# KiCad board APDS9960 Adapter board_panel.kicad_pcb (continued)
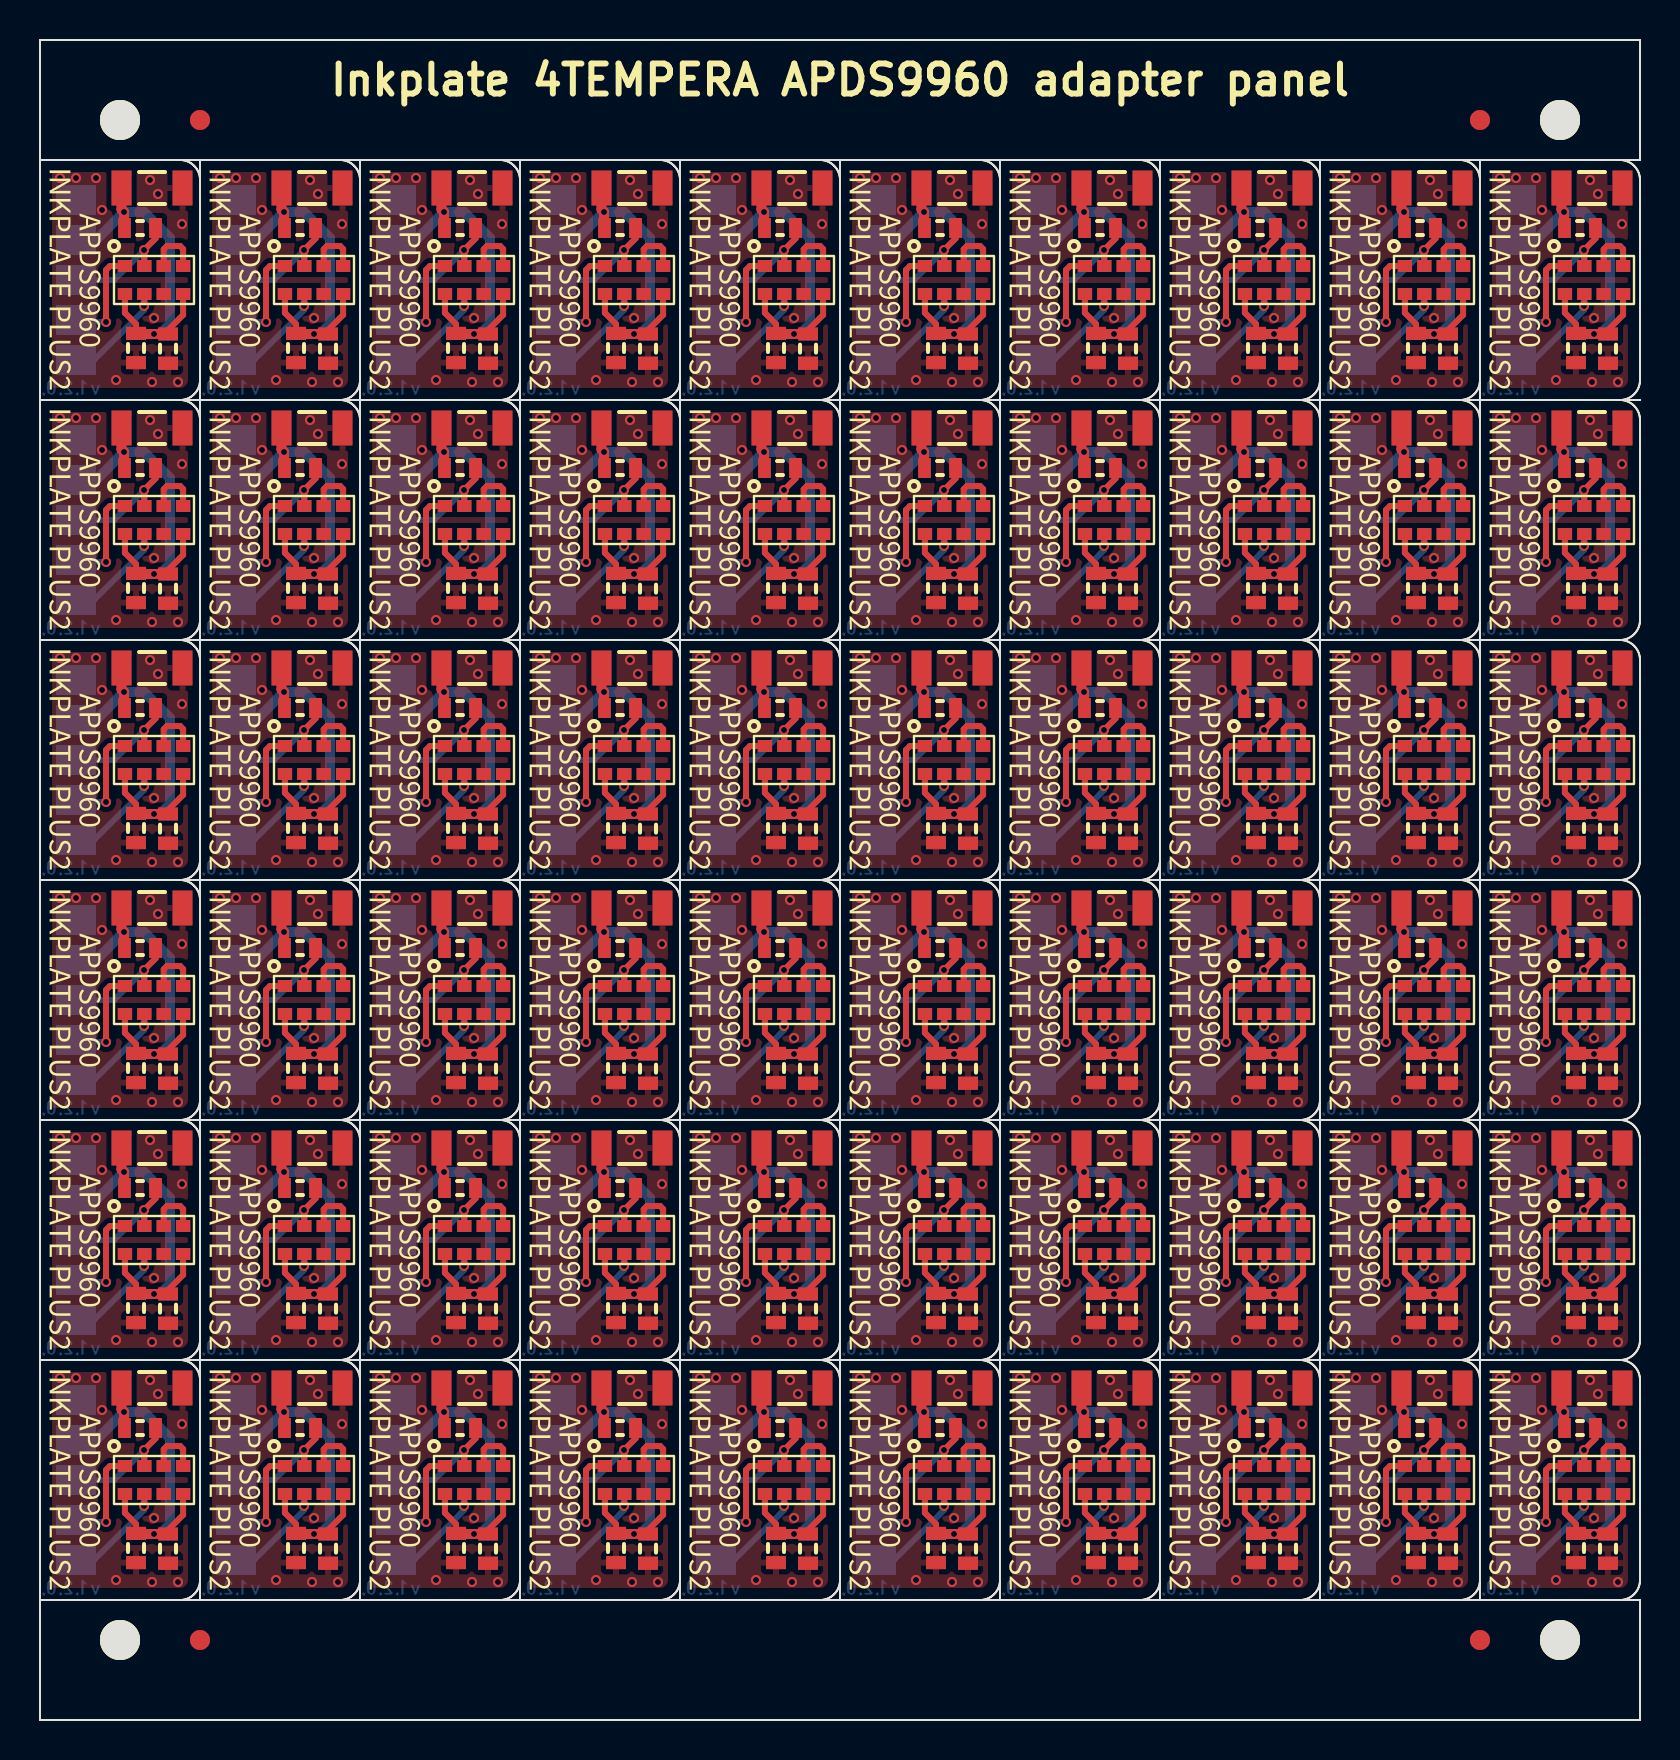
[diagram p0: board, top side]
## Nets (continued)
Board_35-Net-(U1-Pad3): U1#3.3 U1#3.4
Board_36-3V3: C1#54.2 C2#18.2 C3#42.2 PAD4#12.1 R1#42.2 U1#24.5 U1#24.8
Board_36-GND: C1#54.1 C2#18.1 C3#42.1 PAD5#53.1 U1#24.6
Board_36-I2C_SCL: PAD2#24.1 U1#24.7
Board_36-I2C_SDA: PAD1#10.1 U1#24.1
Board_36-INT_APDS: PAD3#12.1 R1#42.1 U1#24.2
Board_36-Net-(U1-Pad3): U1#24.3 U1#24.4
Board_37-3V3: C1#29.2 C2#10.2 C3#30.2 PAD4#45.1 R1#9.2 U1.5 U1.8
Board_37-GND: C1#29.1 C2#10.1 C3#30.1 PAD5#19.1 U1.6
Board_37-I2C_SCL: PAD2#51.1 U1.7
Board_37-I2C_SDA: PAD1#12.1 U1.1
Board_37-INT_APDS: PAD3#54.1 R1#9.1 U1.2
Board_37-Net-(U1-Pad3): U1.3 U1.4
Board_38-3V3: C1#41.2 C2#52.2 C3#29.2 PAD4#15.1 R1#32.2 U1#55.5 U1#55.8
Board_38-GND: C1#41.1 C2#52.1 C3#29.1 PAD5#30.1 U1#55.6
Board_38-I2C_SCL: PAD2#40.1 U1#55.7
Board_38-I2C_SDA: PAD1#3.1 U1#55.1
Board_38-INT_APDS: PAD3#16.1 R1#32.1 U1#55.2
Board_38-Net-(U1-Pad3): U1#55.3 U1#55.4
Board_39-3V3: C1#4.2 C2#23.2 C3#39.2 PAD4#11.1 R1#29.2 U1#46.5 U1#46.8
Board_39-GND: C1#4.1 C2#23.1 C3#39.1 PAD5#57.1 U1#46.6
Board_39-I2C_SCL: PAD2#29.1 U1#46.7
Board_39-I2C_SDA: PAD1#34.1 U1#46.1
Board_39-INT_APDS: PAD3#40.1 R1#29.1 U1#46.2
Board_39-Net-(U1-Pad3): U1#46.3 U1#46.4
Board_40-3V3: C1#50.2 C2#25.2 C3#45.2 PAD4#18.1 R1#56.2 U1#42.5 U1#42.8
Board_40-GND: C1#50.1 C2#25.1 C3#45.1 PAD5#18.1 U1#42.6
Board_40-I2C_SCL: PAD2#38.1 U1#42.7
Board_40-I2C_SDA: PAD1#55.1 U1#42.1
Board_40-INT_APDS: PAD3#56.1 R1#56.1 U1#42.2
Board_40-Net-(U1-Pad3): U1#42.3 U1#42.4
Board_41-3V3: C1#34.2 C2#20.2 C3#4.2 PAD4#44.1 R1#14.2 U1#35.5 U1#35.8
Board_41-GND: C1#34.1 C2#20.1 C3#4.1 PAD5#47.1 U1#35.6
Board_41-I2C_SCL: PAD2#8.1 U1#35.7
Board_41-I2C_SDA: PAD1#21.1 U1#35.1
Board_41-INT_APDS: PAD3#36.1 R1#14.1 U1#35.2
Board_41-Net-(U1-Pad3): U1#35.3 U1#35.4
Board_42-3V3: C1#11.2 C2#41.2 C3#13.2 PAD4#26.1 R1#46.2 U1#20.5 U1#20.8
Board_42-GND: C1#11.1 C2#41.1 C3#13.1 PAD5#46.1 U1#20.6
Board_42-I2C_SCL: PAD2#35.1 U1#20.7
Board_42-I2C_SDA: PAD1#6.1 U1#20.1
Board_42-INT_APDS: PAD3#2.1 R1#46.1 U1#20.2
Board_42-Net-(U1-Pad3): U1#20.3 U1#20.4
Board_43-3V3: C1#40.2 C2#6.2 C3#53.2 PAD4#21.1 R1#21.2 U1#6.5 U1#6.8
Board_43-GND: C1#40.1 C2#6.1 C3#53.1 PAD5#55.1 U1#6.6
Board_43-I2C_SCL: PAD2#33.1 U1#6.7
Board_43-I2C_SDA: PAD1#53.1 U1#6.1
Board_43-INT_APDS: PAD3#6.1 R1#21.1 U1#6.2
Board_43-Net-(U1-Pad3): U1#6.3 U1#6.4
Board_44-3V3: C1#59.2 C2#9.2 C3#60.2 PAD4#5.1 R1#24.2 U1#23.5 U1#23.8
Board_44-GND: C1#59.1 C2#9.1 C3#60.1 PAD5#29.1 U1#23.6
Board_44-I2C_SCL: PAD2#18.1 U1#23.7
Board_44-I2C_SDA: PAD1#2.1 U1#23.1
Board_44-INT_APDS: PAD3#19.1 R1#24.1 U1#23.2
Board_44-Net-(U1-Pad3): U1#23.3 U1#23.4
Board_45-3V3: C1#47.2 C2#39.2 C3#15.2 PAD4#43.1 R1#18.2 U1#18.5 U1#18.8
Board_45-GND: C1#47.1 C2#39.1 C3#15.1 PAD5#48.1 U1#18.6
Board_45-I2C_SCL: PAD2#12.1 U1#18.7
Board_45-I2C_SDA: PAD1#37.1 U1#18.1
Board_45-INT_APDS: PAD3#17.1 R1#18.1 U1#18.2
Board_45-Net-(U1-Pad3): U1#18.3 U1#18.4
Board_46-3V3: C1#60.2 C2#54.2 C3#31.2 PAD4#7.1 R1#31.2 U1#54.5 U1#54.8
Board_46-GND: C1#60.1 C2#54.1 C3#31.1 PAD5#34.1 U1#54.6
Board_46-I2C_SCL: PAD2#3.1 U1#54.7
Board_46-I2C_SDA: PAD1#60.1 U1#54.1
Board_46-INT_APDS: PAD3#30.1 R1#31.1 U1#54.2
Board_46-Net-(U1-Pad3): U1#54.3 U1#54.4
Board_47-3V3: C1#7.2 C2#55.2 C3#36.2 PAD4#24.1 R1#55.2 U1#19.5 U1#19.8
Board_47-GND: C1#7.1 C2#55.1 C3#36.1 PAD5#38.1 U1#19.6
Board_47-I2C_SCL: PAD2#57.1 U1#19.7
Board_47-I2C_SDA: PAD1#54.1 U1#19.1
Board_47-INT_APDS: PAD3#52.1 R1#55.1 U1#19.2
Board_47-Net-(U1-Pad3): U1#19.3 U1#19.4
Board_48-3V3: C1#23.2 C2#24.2 C3#56.2 PAD4#4.1 R1#57.2 U1#8.5 U1#8.8
Board_48-GND: C1#23.1 C2#24.1 C3#56.1 PAD5#24.1 U1#8.6
Board_48-I2C_SCL: PAD2.1 U1#8.7
Board_48-I2C_SDA: PAD1#57.1 U1#8.1
Board_48-INT_APDS: PAD3#13.1 R1#57.1 U1#8.2
Board_48-Net-(U1-Pad3): U1#8.3 U1#8.4
Board_49-3V3: C1#9.2 C2#47.2 C3.2 PAD4#36.1 R1#38.2 U1#44.5 U1#44.8
Board_49-GND: C1#9.1 C2#47.1 C3.1 PAD5#26.1 U1#44.6
Board_49-I2C_SCL: PAD2#47.1 U1#44.7
Board_49-I2C_SDA: PAD1#47.1 U1#44.1
Board_49-INT_APDS: PAD3#22.1 R1#38.1 U1#44.2
Board_49-Net-(U1-Pad3): U1#44.3 U1#44.4
Board_50-3V3: C1.2 C2#45.2 C3#19.2 PAD4#53.1 R1#20.2 U1#45.5 U1#45.8
Board_50-GND: C1.1 C2#45.1 C3#19.1 PAD5#23.1 U1#45.6
Board_50-I2C_SCL: PAD2#44.1 U1#45.7
Board_50-I2C_SDA: PAD1#35.1 U1#45.1
Board_50-INT_APDS: PAD3#34.1 R1#20.1 U1#45.2
Board_50-Net-(U1-Pad3): U1#45.3 U1#45.4
Board_51-3V3: C1#15.2 C2#43.2 C3#47.2 PAD4#30.1 R1#17.2 U1#16.5 U1#16.8
Board_51-GND: C1#15.1 C2#43.1 C3#47.1 PAD5#40.1 U1#16.6
Board_51-I2C_SCL: PAD2#59.1 U1#16.7
Board_51-I2C_SDA: PAD1#51.1 U1#16.1
Board_51-INT_APDS: PAD3#23.1 R1#17.1 U1#16.2
Board_51-Net-(U1-Pad3): U1#16.3 U1#16.4
Board_52-3V3: C1#20.2 C2#57.2 C3#27.2 PAD4#55.1 R1#6.2 U1#5.5 U1#5.8
Board_52-GND: C1#20.1 C2#57.1 C3#27.1 PAD5#32.1 U1#5.6
Board_52-I2C_SCL: PAD2#25.1 U1#5.7
Board_52-I2C_SDA: PAD1#31.1 U1#5.1
Board_52-INT_APDS: PAD3#60.1 R1#6.1 U1#5.2
Board_52-Net-(U1-Pad3): U1#5.3 U1#5.4
Board_53-3V3: C1#3.2 C2#11.2 C3#52.2 PAD4#48.1 R1#13.2 U1#47.5 U1#47.8
Board_53-GND: C1#3.1 C2#11.1 C3#52.1 PAD5#3.1 U1#47.6
Board_53-I2C_SCL: PAD2#10.1 U1#47.7
Board_53-I2C_SDA: PAD1#17.1 U1#47.1
Board_53-INT_APDS: PAD3.1 R1#13.1 U1#47.2
Board_53-Net-(U1-Pad3): U1#47.3 U1#47.4
Board_54-3V3: C1#21.2 C2#33.2 C3#38.2 PAD4#57.1 R1#8.2 U1#56.5 U1#56.8
Board_54-GND: C1#21.1 C2#33.1 C3#38.1 PAD5#35.1 U1#56.6
Board_54-I2C_SCL: PAD2#49.1 U1#56.7
Board_54-I2C_SDA: PAD1#22.1 U1#56.1
Board_54-INT_APDS: PAD3#33.1 R1#8.1 U1#56.2
Board_54-Net-(U1-Pad3): U1#56.3 U1#56.4
Board_55-3V3: C1#28.2 C2#38.2 C3#51.2 PAD4#9.1 R1#45.2 U1#26.5 U1#26.8
Board_55-GND: C1#28.1 C2#38.1 C3#51.1 PAD5#54.1 U1#26.6
Board_55-I2C_SCL: PAD2#46.1 U1#26.7
Board_55-I2C_SDA: PAD1#18.1 U1#26.1
Board_55-INT_APDS: PAD3#3.1 R1#45.1 U1#26.2
Board_55-Net-(U1-Pad3): U1#26.3 U1#26.4
Board_56-3V3: C1#8.2 C2#13.2 C3#11.2 PAD4#28.1 R1#60.2 U1#48.5 U1#48.8
Board_56-GND: C1#8.1 C2#13.1 C3#11.1 PAD5#17.1 U1#48.6
Board_56-I2C_SCL: PAD2#9.1 U1#48.7
Board_56-I2C_SDA: PAD1#20.1 U1#48.1
Board_56-INT_APDS: PAD3#43.1 R1#60.1 U1#48.2
Board_56-Net-(U1-Pad3): U1#48.3 U1#48.4
Board_57-3V3: C1#5.2 C2#42.2 C3#9.2 PAD4#2.1 R1#27.2 U1#13.5 U1#13.8
Board_57-GND: C1#5.1 C2#42.1 C3#9.1 PAD5#36.1 U1#13.6
Board_57-I2C_SCL: PAD2#14.1 U1#13.7
Board_57-I2C_SDA: PAD1#42.1 U1#13.1
Board_57-INT_APDS: PAD3#32.1 R1#27.1 U1#13.2
Board_57-Net-(U1-Pad3): U1#13.3 U1#13.4
Board_58-3V3: C1#49.2 C2#32.2 C3#37.2 PAD4#8.1 R1#5.2 U1#29.5 U1#29.8
Board_58-GND: C1#49.1 C2#32.1 C3#37.1 PAD5#33.1 U1#29.6
Board_58-I2C_SCL: PAD2#7.1 U1#29.7
Board_58-I2C_SDA: PAD1#45.1 U1#29.1
Board_58-INT_APDS: PAD3#24.1 R1#5.1 U1#29.2
Board_58-Net-(U1-Pad3): U1#29.3 U1#29.4
Board_59-3V3: C1#37.2 C2#14.2 C3#18.2 PAD4#25.1 R1#43.2 U1#51.5 U1#51.8
Board_59-GND: C1#37.1 C2#14.1 C3#18.1 PAD5#4.1 U1#51.6
Board_59-I2C_SCL: PAD2#56.1 U1#51.7
Board_59-I2C_SDA: PAD1#52.1 U1#51.1
Board_59-INT_APDS: PAD3#50.1 R1#43.1 U1#51.2
Board_59-Net-(U1-Pad3): U1#51.3 U1#51.4

## Via types
v1: diameter 0.5, hole 0.3, Top to Bottom, 960 vias

## Routing (per net, layer and track width the routed paths; a pad name or vN(x,y) marks a point on that pad's centre or on a via; arc(x,y) is an arc through that point)
Board_0-3V3: length 20
  Top w0.3: C1#44.2 4.8,69.8 4.25,70.36 U1#52.8 ; C2#34.2 6.4,69.5 7.16,70.26 U1#52.5
  Top w0.5: C3#24.2 4.08,75.53 v1(4.2,75.4) 4.2,74.63 R1#34.2 ; C1#44.2 4.83,69.3 C2#34.2 v1(5.7,69.3)
  Bottom w0.5: PAD4#6.1 2.8,74 v1(4.2,75.4) 5.2,75.4 6.5,74.1 6.5,69.8 6,69.3 v1(5.7,69.3)
Board_0-GND:
  vias: v1(1,77.1) v1(1.8,77.1) v1(2.8,77.1) v1(3.1,75.5) v1(3.8,67) v1(5.5,77) v1(5.6,66.9) v1(5.7,70.1) v1(5.9,76.3) v1(6.9,66.9) v1(7.1,74.8)
Board_0-I2C_SCL: length 5.2
  Top w0.3: v1(5.2,70.7) 5.22,70.72 U1#52.7
  Bottom w0.3: PAD2#11.1 2.7,68 5.2,70.5 v1(5.2,70.7)
Board_0-I2C_SDA: length 5.2
  Top w0.3: v1(3.3,69.9) 3.3,72.5 3.5,72.7 U1#52.1
  Bottom w0.3: v1(3.3,69.9) 1.9,69.9 PAD1#58.1
Board_0-INT_APDS: length 6.2
  Top w0.3: R1#34.1 5.78,74.08 v1(5.2,73.5) 5.22,73.49 U1#52.2
  Bottom w0.3: PAD3#9.1 3.7,72 v1(5.2,73.5)
Board_0-Net-(U1-Pad3): length 2.8
  Top w0.3: U1#52.4 7.16,73.55 7,73.7 6.35,73.7 6.19,73.54 U1#52.3
Board_1-3V3: length 20
  Top w0.3: U1#38.8 12.25,70.36 12.8,69.8 C1#48.2 ; C2#53.2 14.4,69.5 15.16,70.26 U1#38.5
  Top w0.5: C3#28.2 12.08,75.53 v1(12.2,75.4) 12.2,74.63 R1#30.2 ; C1#48.2 12.83,69.3 C2#53.2 v1(13.7,69.3)
  Bottom w0.5: PAD4#29.1 10.8,74 v1(12.2,75.4) 13.2,75.4 14.5,74.1 14.5,69.8 14,69.3 v1(13.7,69.3)
Board_1-GND:
  vias: v1(9,77.1) v1(9.8,77.1) v1(10.8,77.1) v1(11.1,75.5) v1(11.8,67) v1(13.5,77) v1(13.6,66.9) v1(13.7,70.1) v1(13.9,76.3) v1(14.9,66.9) v1(15.1,74.8)
Board_1-I2C_SCL: length 5.2
  Top w0.3: v1(13.2,70.7) 13.22,70.72 U1#38.7
  Bottom w0.3: PAD2#23.1 10.7,68 13.2,70.5 v1(13.2,70.7)
Board_1-I2C_SDA: length 5.2
  Top w0.3: U1#38.1 11.5,72.7 11.3,72.5 v1(11.3,69.9)
  Bottom w0.3: PAD1#36.1 9.9,69.9 v1(11.3,69.9)
Board_1-INT_APDS: length 6.2
  Top w0.3: R1#30.1 13.78,74.08 v1(13.2,73.5) 13.22,73.49 U1#38.2
  Bottom w0.3: PAD3#20.1 11.7,72 v1(13.2,73.5)
Board_1-Net-(U1-Pad3): length 2.8
  Top w0.3: U1#38.3 14.19,73.54 14.35,73.7 15,73.7 15.16,73.55 U1#38.4
Board_2-3V3: length 20
  Top w0.3: U1#34.8 20.25,70.36 20.8,69.8 C1#58.2 ; C2#44.2 22.4,69.5 23.16,70.26 U1#34.5
  Top w0.5: C1#58.2 20.83,69.3 C2#44.2 v1(21.7,69.3) ; R1#3.2 20.2,74.63 v1(20.2,75.4) 20.08,75.53 C3#5.2
  Bottom w0.5: PAD4#49.1 18.8,74 v1(20.2,75.4) 21.2,75.4 22.5,74.1 22.5,69.8 22,69.3 v1(21.7,69.3)
Board_2-GND:
  vias: v1(17,77.1) v1(17.8,77.1) v1(18.8,77.1) v1(19.1,75.5) v1(19.8,67) v1(21.5,77) v1(21.6,66.9) v1(21.7,70.1) v1(21.9,76.3) v1(22.9,66.9) v1(23.1,74.8)
Board_2-I2C_SCL: length 5.2
  Top w0.3: v1(21.2,70.7) 21.22,70.72 U1#34.7
  Bottom w0.3: PAD2#16.1 18.7,68 21.2,70.5 v1(21.2,70.7)
Board_2-I2C_SDA: length 5.2
  Top w0.3: U1#34.1 19.5,72.7 19.3,72.5 v1(19.3,69.9)
  Bottom w0.3: v1(19.3,69.9) 17.9,69.9 PAD1#25.1
Board_2-INT_APDS: length 6.2
  Top w0.3: R1#3.1 21.78,74.08 v1(21.2,73.5) 21.22,73.49 U1#34.2
  Bottom w0.3: PAD3#26.1 19.7,72 v1(21.2,73.5)
Board_2-Net-(U1-Pad3): length 2.8
  Top w0.3: U1#34.4 23.16,73.55 23,73.7 22.35,73.7 22.19,73.54 U1#34.3
Board_3-3V3: length 20
  Top w0.3: C2#49.2 30.4,69.5 31.16,70.26 U1#17.5 ; C1#10.2 28.8,69.8 28.25,70.36 U1#17.8
  Top w0.5: v1(29.7,69.3) C2#49.2 28.83,69.3 C1#10.2 ; C3#10.2 28.08,75.53 v1(28.2,75.4) 28.2,74.63 R1#12.2
  Bottom w0.5: PAD4#41.1 26.8,74 v1(28.2,75.4) 29.2,75.4 30.5,74.1 30.5,69.8 30,69.3 v1(29.7,69.3)
Board_3-GND:
  vias: v1(25,77.1) v1(25.8,77.1) v1(26.8,77.1) v1(27.1,75.5) v1(27.8,67) v1(29.5,77) v1(29.6,66.9) v1(29.7,70.1) v1(29.9,76.3) v1(30.9,66.9) v1(31.1,74.8)
Board_3-I2C_SCL: length 5.2
  Top w0.3: v1(29.2,70.7) 29.22,70.72 U1#17.7
  Bottom w0.3: v1(29.2,70.7) 29.2,70.5 26.7,68 PAD2#21.1
Board_3-I2C_SDA: length 5.2
  Top w0.3: U1#17.1 27.5,72.7 27.3,72.5 v1(27.3,69.9)
  Bottom w0.3: PAD1#19.1 25.9,69.9 v1(27.3,69.9)
Board_3-INT_APDS: length 6.2
  Top w0.3: U1#17.2 29.22,73.49 v1(29.2,73.5) 29.78,74.08 R1#12.1
  Bottom w0.3: PAD3#31.1 27.7,72 v1(29.2,73.5)
Board_3-Net-(U1-Pad3): length 2.8
  Top w0.3: U1#17.3 30.19,73.54 30.35,73.7 31,73.7 31.16,73.55 U1#17.4
Board_4-3V3: length 20
  Top w0.3: U1#21.8 36.25,70.36 36.8,69.8 C1#38.2 ; C2#7.2 38.4,69.5 39.16,70.26 U1#21.5
  Top w0.5: v1(37.7,69.3) C2#7.2 36.83,69.3 C1#38.2 ; R1#44.2 36.2,74.63 v1(36.2,75.4) 36.08,75.53 C3#59.2
  Bottom w0.5: v1(37.7,69.3) 38,69.3 38.5,69.8 38.5,74.1 37.2,75.4 v1(36.2,75.4) 34.8,74 PAD4#42.1
Board_4-GND:
  vias: v1(33,77.1) v1(33.8,77.1) v1(34.8,77.1) v1(35.1,75.5) v1(35.8,67) v1(37.5,77) v1(37.6,66.9) v1(37.7,70.1) v1(37.9,76.3) v1(38.9,66.9) v1(39.1,74.8)
Board_4-I2C_SCL: length 5.2
  Top w0.3: U1#21.7 37.22,70.72 v1(37.2,70.7)
  Bottom w0.3: PAD2#2.1 34.7,68 37.2,70.5 v1(37.2,70.7)
Board_4-I2C_SDA: length 5.2
  Top w0.3: U1#21.1 35.5,72.7 35.3,72.5 v1(35.3,69.9)
  Bottom w0.3: PAD1#11.1 33.9,69.9 v1(35.3,69.9)
Board_4-INT_APDS: length 6.2
  Top w0.3: U1#21.2 37.22,73.49 v1(37.2,73.5) 37.78,74.08 R1#44.1
  Bottom w0.3: v1(37.2,73.5) 35.7,72 PAD3#38.1
Board_4-Net-(U1-Pad3): length 2.8
  Top w0.3: U1#21.3 38.19,73.54 38.35,73.7 39,73.7 39.16,73.55 U1#21.4
Board_5-3V3: length 20
  Top w0.3: U1#22.5 47.16,70.26 46.4,69.5 C2#50.2 ; U1#22.8 44.25,70.36 44.8,69.8 C1#57.2
  Top w0.5: C3#50.2 44.08,75.53 v1(44.2,75.4) 44.2,74.63 R1#48.2 ; v1(45.7,69.3) C2#50.2 44.83,69.3 C1#57.2
  Bottom w0.5: v1(45.7,69.3) 46,69.3 46.5,69.8 46.5,74.1 45.2,75.4 v1(44.2,75.4) 42.8,74 PAD4#40.1
Board_5-GND:
  vias: v1(41,77.1) v1(41.8,77.1) v1(42.8,77.1) v1(43.1,75.5) v1(43.8,67) v1(45.5,77) v1(45.6,66.9) v1(45.7,70.1) v1(45.9,76.3) v1(46.9,66.9) v1(47.1,74.8)
Board_5-I2C_SCL: length 5.2
  Top w0.3: U1#22.7 45.22,70.72 v1(45.2,70.7)
  Bottom w0.3: v1(45.2,70.7) 45.2,70.5 42.7,68 PAD2#34.1
Board_5-I2C_SDA: length 5.2
  Top w0.3: U1#22.1 43.5,72.7 43.3,72.5 v1(43.3,69.9)
  Bottom w0.3: PAD1#14.1 41.9,69.9 v1(43.3,69.9)
Board_5-INT_APDS: length 6.2
  Top w0.3: U1#22.2 45.22,73.49 v1(45.2,73.5) 45.78,74.08 R1#48.1
  Bottom w0.3: PAD3#7.1 43.7,72 v1(45.2,73.5)
Board_5-Net-(U1-Pad3): length 2.8
  Top w0.3: U1#22.3 46.19,73.54 46.35,73.7 47,73.7 47.16,73.55 U1#22.4
Board_6-3V3: length 20
  Top w0.3: U1#60.8 52.25,70.36 52.8,69.8 C1#31.2 ; U1#60.5 55.16,70.26 54.4,69.5 C2#28.2
  Top w0.5: R1#54.2 52.2,74.63 v1(52.2,75.4) 52.08,75.53 C3#46.2 ; v1(53.7,69.3) C2#28.2 52.83,69.3 C1#31.2
  Bottom w0.5: PAD4#19.1 50.8,74 v1(52.2,75.4) 53.2,75.4 54.5,74.1 54.5,69.8 54,69.3 v1(53.7,69.3)
Board_6-GND:
  vias: v1(49,77.1) v1(49.8,77.1) v1(50.8,77.1) v1(51.1,75.5) v1(51.8,67) v1(53.5,77) v1(53.6,66.9) v1(53.7,70.1) v1(53.9,76.3) v1(54.9,66.9) v1(55.1,74.8)
Board_6-I2C_SCL: length 5.2
  Top w0.3: U1#60.7 53.22,70.72 v1(53.2,70.7)
  Bottom w0.3: PAD2#39.1 50.7,68 53.2,70.5 v1(53.2,70.7)
Board_6-I2C_SDA: length 5.2
  Top w0.3: v1(51.3,69.9) 51.3,72.5 51.5,72.7 U1#60.1
  Bottom w0.3: v1(51.3,69.9) 49.9,69.9 PAD1#28.1
Board_6-INT_APDS: length 6.2
  Top w0.3: R1#54.1 53.78,74.08 v1(53.2,73.5) 53.22,73.49 U1#60.2
  Bottom w0.3: PAD3#35.1 51.7,72 v1(53.2,73.5)
Board_6-Net-(U1-Pad3): length 2.8
  Top w0.3: U1#60.4 55.16,73.55 55,73.7 54.35,73.7 54.19,73.54 U1#60.3
Board_7-3V3: length 20
  Top w0.3: U1#27.8 60.25,70.36 60.8,69.8 C1#30.2 ; C2#22.2 62.4,69.5 63.16,70.26 U1#27.5
  Top w0.5: C3#21.2 60.08,75.53 v1(60.2,75.4) 60.2,74.63 R1#26.2 ; v1(61.7,69.3) C2#22.2 60.83,69.3 C1#30.2
  Bottom w0.5: v1(61.7,69.3) 62,69.3 62.5,69.8 62.5,74.1 61.2,75.4 v1(60.2,75.4) 58.8,74 PAD4#34.1
Board_7-GND:
  vias: v1(57,77.1) v1(57.8,77.1) v1(58.8,77.1) v1(59.1,75.5) v1(59.8,67) v1(61.5,77) v1(61.6,66.9) v1(61.7,70.1) v1(61.9,76.3) v1(62.9,66.9) v1(63.1,74.8)
Board_7-I2C_SCL: length 5.2
  Top w0.3: v1(61.2,70.7) 61.22,70.72 U1#27.7
  Bottom w0.3: v1(61.2,70.7) 61.2,70.5 58.7,68 PAD2#19.1
Board_7-I2C_SDA: length 5.2
  Top w0.3: U1#27.1 59.5,72.7 59.3,72.5 v1(59.3,69.9)
  Bottom w0.3: PAD1#39.1 57.9,69.9 v1(59.3,69.9)
Board_7-INT_APDS: length 6.2
  Top w0.3: R1#26.1 61.78,74.08 v1(61.2,73.5) 61.22,73.49 U1#27.2
  Bottom w0.3: PAD3#57.1 59.7,72 v1(61.2,73.5)
Board_7-Net-(U1-Pad3): length 2.8
  Top w0.3: U1#27.4 63.16,73.55 63,73.7 62.35,73.7 62.19,73.54 U1#27.3
Board_8-3V3: length 20
  Top w0.3: U1#9.5 71.16,70.26 70.4,69.5 C2.2 ; U1#9.8 68.25,70.36 68.8,69.8 C1#33.2
  Top w0.5: C1#33.2 68.83,69.3 C2.2 v1(69.7,69.3) ; R1#52.2 68.2,74.63 v1(68.2,75.4) 68.08,75.53 C3#14.2
  Bottom w0.5: PAD4#50.1 66.8,74 v1(68.2,75.4) 69.2,75.4 70.5,74.1 70.5,69.8 70,69.3 v1(69.7,69.3)
Board_8-GND:
  vias: v1(65,77.1) v1(65.8,77.1) v1(66.8,77.1) v1(67.1,75.5) v1(67.8,67) v1(69.5,77) v1(69.6,66.9) v1(69.7,70.1) v1(69.9,76.3) v1(70.9,66.9) v1(71.1,74.8)
Board_8-I2C_SCL: length 5.2
  Top w0.3: U1#9.7 69.22,70.72 v1(69.2,70.7)
  Bottom w0.3: v1(69.2,70.7) 69.2,70.5 66.7,68 PAD2#58.1
Board_8-I2C_SDA: length 5.2
  Top w0.3: U1#9.1 67.5,72.7 67.3,72.5 v1(67.3,69.9)
  Bottom w0.3: PAD1#13.1 65.9,69.9 v1(67.3,69.9)
Board_8-INT_APDS: length 6.2
  Top w0.3: R1#52.1 69.78,74.08 v1(69.2,73.5) 69.22,73.49 U1#9.2
  Bottom w0.3: v1(69.2,73.5) 67.7,72 PAD3#28.1
Board_8-Net-(U1-Pad3): length 2.8
  Top w0.3: U1#9.3 70.19,73.54 70.35,73.7 71,73.7 71.16,73.55 U1#9.4
Board_9-3V3: length 20
  Top w0.3: C1#18.2 76.8,69.8 76.25,70.36 U1#10.8 ; U1#10.5 79.16,70.26 78.4,69.5 C2#15.2
  Top w0.5: R1#28.2 76.2,74.63 v1(76.2,75.4) 76.08,75.53 C3#12.2 ; C1#18.2 76.83,69.3 C2#15.2 v1(77.7,69.3)
  Bottom w0.5: PAD4#56.1 74.8,74 v1(76.2,75.4) 77.2,75.4 78.5,74.1 78.5,69.8 78,69.3 v1(77.7,69.3)
Board_9-GND:
  vias: v1(73,77.1) v1(73.8,77.1) v1(74.8,77.1) v1(75.1,75.5) v1(75.8,67) v1(77.5,77) v1(77.6,66.9) v1(77.7,70.1) v1(77.9,76.3) v1(78.9,66.9) v1(79.1,74.8)
Board_9-I2C_SCL: length 5.2
  Top w0.3: v1(77.2,70.7) 77.22,70.72 U1#10.7
  Bottom w0.3: PAD2#48.1 74.7,68 77.2,70.5 v1(77.2,70.7)
Board_9-I2C_SDA: length 5.2
  Top w0.3: U1#10.1 75.5,72.7 75.3,72.5 v1(75.3,69.9)
  Bottom w0.3: v1(75.3,69.9) 73.9,69.9 PAD1#23.1
Board_9-INT_APDS: length 6.2
  Top w0.3: R1#28.1 77.78,74.08 v1(77.2,73.5) 77.22,73.49 U1#10.2
  Bottom w0.3: v1(77.2,73.5) 75.7,72 PAD3#18.1
Board_9-Net-(U1-Pad3): length 2.8
  Top w0.3: U1#10.4 79.16,73.55 79,73.7 78.35,73.7 78.19,73.54 U1#10.3
Board_10-3V3: length 20
  Top w0.3: C1#52.2 4.8,57.8 4.25,58.36 U1#2.8 ; U1#2.5 7.16,58.26 6.4,57.5 C2#59.2
  Top w0.5: R1#49.2 4.2,62.63 v1(4.2,63.4) 4.08,63.53 C3#43.2 ; C1#52.2 4.83,57.3 C2#59.2 v1(5.7,57.3)
  Bottom w0.5: PAD4#17.1 2.8,62 v1(4.2,63.4) 5.2,63.4 6.5,62.1 6.5,57.8 6,57.3 v1(5.7,57.3)
Board_10-GND:
  vias: v1(1,65.1) v1(1.8,65.1) v1(2.8,65.1) v1(3.1,63.5) v1(3.8,55) v1(5.5,65) v1(5.6,54.9) v1(5.7,58.1) v1(5.9,64.3) v1(6.9,54.9) v1(7.1,62.8)
Board_10-I2C_SCL: length 5.2
  Top w0.3: U1#2.7 5.22,58.72 v1(5.2,58.7)
  Bottom w0.3: v1(5.2,58.7) 5.2,58.5 2.7,56 PAD2#13.1
Board_10-I2C_SDA: length 5.2
  Top w0.3: v1(3.3,57.9) 3.3,60.5 3.5,60.7 U1#2.1
  Bottom w0.3: PAD1#32.1 1.9,57.9 v1(3.3,57.9)
Board_10-INT_APDS: length 6.2
  Top w0.3: U1#2.2 5.22,61.49 v1(5.2,61.5) 5.78,62.08 R1#49.1
  Bottom w0.3: v1(5.2,61.5) 3.7,60 PAD3#58.1
Board_10-Net-(U1-Pad3): length 2.8
  Top w0.3: U1#2.4 7.16,61.55 7,61.7 6.35,61.7 6.19,61.54 U1#2.3
Board_11-3V3: length 20
  Top w0.3: U1#37.8 12.25,58.36 12.8,57.8 C1#55.2 ; C2#26.2 14.4,57.5 15.16,58.26 U1#37.5
  Top w0.5: C1#55.2 12.83,57.3 C2#26.2 v1(13.7,57.3) ; C3#20.2 12.08,63.53 v1(12.2,63.4) 12.2,62.63 R1#15.2
  Bottom w0.5: PAD4#37.1 10.8,62 v1(12.2,63.4) 13.2,63.4 14.5,62.1 14.5,57.8 14,57.3 v1(13.7,57.3)
Board_11-GND:
  vias: v1(9,65.1) v1(9.8,65.1) v1(10.8,65.1) v1(11.1,63.5) v1(11.8,55) v1(13.5,65) v1(13.6,54.9) v1(13.7,58.1) v1(13.9,64.3) v1(14.9,54.9) v1(15.1,62.8)
Board_11-I2C_SCL: length 5.2
  Top w0.3: v1(13.2,58.7) 13.22,58.72 U1#37.7
  Bottom w0.3: v1(13.2,58.7) 13.2,58.5 10.7,56 PAD2#50.1
Board_11-I2C_SDA: length 5.2
  Top w0.3: v1(11.3,57.9) 11.3,60.5 11.5,60.7 U1#37.1
  Bottom w0.3: v1(11.3,57.9) 9.9,57.9 PAD1#49.1
Board_11-INT_APDS: length 6.2
  Top w0.3: R1#15.1 13.78,62.08 v1(13.2,61.5) 13.22,61.49 U1#37.2
  Bottom w0.3: v1(13.2,61.5) 11.7,60 PAD3#39.1
Board_11-Net-(U1-Pad3): length 2.8
  Top w0.3: U1#37.4 15.16,61.55 15,61.7 14.35,61.7 14.19,61.54 U1#37.3
Board_12-3V3: length 20
  Top w0.3: U1#30.5 23.16,58.26 22.4,57.5 C2#31.2 ; U1#30.8 20.25,58.36 20.8,57.8 C1#17.2
  Top w0.5: C3#44.2 20.08,63.53 v1(20.2,63.4) 20.2,62.63 R1#33.2 ; C1#17.2 20.83,57.3 C2#31.2 v1(21.7,57.3)
  Bottom w0.5: PAD4#32.1 18.8,62 v1(20.2,63.4) 21.2,63.4 22.5,62.1 22.5,57.8 22,57.3 v1(21.7,57.3)
Board_12-GND:
  vias: v1(17,65.1) v1(17.8,65.1) v1(18.8,65.1) v1(19.1,63.5) v1(19.8,55) v1(21.5,65) v1(21.6,54.9) v1(21.7,58.1) v1(21.9,64.3) v1(22.9,54.9) v1(23.1,62.8)
Board_12-I2C_SCL: length 5.2
  Top w0.3: U1#30.7 21.22,58.72 v1(21.2,58.7)
  Bottom w0.3: v1(21.2,58.7) 21.2,58.5 18.7,56 PAD2#27.1
Board_12-I2C_SDA: length 5.2
  Top w0.3: v1(19.3,57.9) 19.3,60.5 19.5,60.7 U1#30.1
  Bottom w0.3: PAD1#24.1 17.9,57.9 v1(19.3,57.9)
Board_12-INT_APDS: length 6.2
  Top w0.3: U1#30.2 21.22,61.49 v1(21.2,61.5) 21.78,62.08 R1#33.1
  Bottom w0.3: PAD3#48.1 19.7,60 v1(21.2,61.5)
Board_12-Net-(U1-Pad3): length 2.8
  Top w0.3: U1#30.3 22.19,61.54 22.35,61.7 23,61.7 23.16,61.55 U1#30.4
Board_13-3V3: length 20
  Top w0.3: U1#36.5 31.16,58.26 30.4,57.5 C2#16.2 ; C1#39.2 28.8,57.8 28.25,58.36 U1#36.8
  Top w0.5: C1#39.2 28.83,57.3 C2#16.2 v1(29.7,57.3) ; R1#36.2 28.2,62.63 v1(28.2,63.4) 28.08,63.53 C3#58.2
  Bottom w0.5: v1(29.7,57.3) 30,57.3 30.5,57.8 30.5,62.1 29.2,63.4 v1(28.2,63.4) 26.8,62 PAD4#22.1
Board_13-GND:
  vias: v1(25,65.1) v1(25.8,65.1) v1(26.8,65.1) v1(27.1,63.5) v1(27.8,55) v1(29.5,65) v1(29.6,54.9) v1(29.7,58.1) v1(29.9,64.3) v1(30.9,54.9) v1(31.1,62.8)
Board_13-I2C_SCL: length 5.2
  Top w0.3: U1#36.7 29.22,58.72 v1(29.2,58.7)
  Bottom w0.3: PAD2#26.1 26.7,56 29.2,58.5 v1(29.2,58.7)
Board_13-I2C_SDA: length 5.2
  Top w0.3: U1#36.1 27.5,60.7 27.3,60.5 v1(27.3,57.9)
  Bottom w0.3: v1(27.3,57.9) 25.9,57.9 PAD1#30.1
Board_13-INT_APDS: length 6.2
  Top w0.3: U1#36.2 29.22,61.49 v1(29.2,61.5) 29.78,62.08 R1#36.1
  Bottom w0.3: v1(29.2,61.5) 27.7,60 PAD3#59.1
Board_13-Net-(U1-Pad3): length 2.8
  Top w0.3: U1#36.4 31.16,61.55 31,61.7 30.35,61.7 30.19,61.54 U1#36.3
Board_14-3V3: length 20
  Top w0.3: C2#8.2 38.4,57.5 39.16,58.26 U1#49.5 ; C1#2.2 36.8,57.8 36.25,58.36 U1#49.8
  Top w0.5: C3#16.2 36.08,63.53 v1(36.2,63.4) 36.2,62.63 R1#10.2 ; v1(37.7,57.3) C2#8.2 36.83,57.3 C1#2.2
  Bottom w0.5: v1(37.7,57.3) 38,57.3 38.5,57.8 38.5,62.1 37.2,63.4 v1(36.2,63.4) 34.8,62 PAD4#52.1
Board_14-GND:
  vias: v1(33,65.1) v1(33.8,65.1) v1(34.8,65.1) v1(35.1,63.5) v1(35.8,55) v1(37.5,65) v1(37.6,54.9) v1(37.7,58.1) v1(37.9,64.3) v1(38.9,54.9) v1(39.1,62.8)
Board_14-I2C_SCL: length 5.2
  Top w0.3: v1(37.2,58.7) 37.22,58.72 U1#49.7
  Bottom w0.3: v1(37.2,58.7) 37.2,58.5 34.7,56 PAD2#37.1
Board_14-I2C_SDA: length 5.2
  Top w0.3: U1#49.1 35.5,60.7 35.3,60.5 v1(35.3,57.9)
  Bottom w0.3: v1(35.3,57.9) 33.9,57.9 PAD1#5.1
Board_14-INT_APDS: length 6.2
  Top w0.3: R1#10.1 37.78,62.08 v1(37.2,61.5) 37.22,61.49 U1#49.2
  Bottom w0.3: PAD3#45.1 35.7,60 v1(37.2,61.5)
Board_14-Net-(U1-Pad3): length 2.8
  Top w0.3: U1#49.3 38.19,61.54 38.35,61.7 39,61.7 39.16,61.55 U1#49.4
Board_15-3V3: length 20
  Top w0.3: C1#22.2 44.8,57.8 44.25,58.36 U1#50.8 ; U1#50.5 47.16,58.26 46.4,57.5 C2#19.2
  Top w0.5: C1#22.2 44.83,57.3 C2#19.2 v1(45.7,57.3) ; C3#35.2 44.08,63.53 v1(44.2,63.4) 44.2,62.63 R1#53.2
  Bottom w0.5: PAD4#16.1 42.8,62 v1(44.2,63.4) 45.2,63.4 46.5,62.1 46.5,57.8 46,57.3 v1(45.7,57.3)
Board_15-GND:
  vias: v1(41,65.1) v1(41.8,65.1) v1(42.8,65.1) v1(43.1,63.5) v1(43.8,55) v1(45.5,65) v1(45.6,54.9) v1(45.7,58.1) v1(45.9,64.3) v1(46.9,54.9) v1(47.1,62.8)
Board_15-I2C_SCL: length 5.2
  Top w0.3: U1#50.7 45.22,58.72 v1(45.2,58.7)
  Bottom w0.3: v1(45.2,58.7) 45.2,58.5 42.7,56 PAD2#5.1
Board_15-I2C_SDA: length 5.2
  Top w0.3: U1#50.1 43.5,60.7 43.3,60.5 v1(43.3,57.9)
  Bottom w0.3: PAD1#7.1 41.9,57.9 v1(43.3,57.9)
Board_15-INT_APDS: length 6.2
  Top w0.3: R1#53.1 45.78,62.08 v1(45.2,61.5) 45.22,61.49 U1#50.2
  Bottom w0.3: v1(45.2,61.5) 43.7,60 PAD3#42.1
Board_15-Net-(U1-Pad3): length 2.8
  Top w0.3: U1#50.3 46.19,61.54 46.35,61.7 47,61.7 47.16,61.55 U1#50.4
Board_16-3V3: length 20
  Top w0.3: U1#14.5 55.16,58.26 54.4,57.5 C2#40.2 ; U1#14.8 52.25,58.36 52.8,57.8 C1#27.2
  Top w0.5: R1#4.2 52.2,62.63 v1(52.2,63.4) 52.08,63.53 C3#54.2 ; C1#27.2 52.83,57.3 C2#40.2 v1(53.7,57.3)
  Bottom w0.5: PAD4#58.1 50.8,62 v1(52.2,63.4) 53.2,63.4 54.5,62.1 54.5,57.8 54,57.3 v1(53.7,57.3)
Board_16-GND:
  vias: v1(49,65.1) v1(49.8,65.1) v1(50.8,65.1) v1(51.1,63.5) v1(51.8,55) v1(53.5,65) v1(53.6,54.9) v1(53.7,58.1) v1(53.9,64.3) v1(54.9,54.9) v1(55.1,62.8)
Board_16-I2C_SCL: length 5.2
  Top w0.3: v1(53.2,58.7) 53.22,58.72 U1#14.7
  Bottom w0.3: PAD2#36.1 50.7,56 53.2,58.5 v1(53.2,58.7)
Board_16-I2C_SDA: length 5.2
  Top w0.3: v1(51.3,57.9) 51.3,60.5 51.5,60.7 U1#14.1
  Bottom w0.3: PAD1.1 49.9,57.9 v1(51.3,57.9)
Board_16-INT_APDS: length 6.2
  Top w0.3: R1#4.1 53.78,62.08 v1(53.2,61.5) 53.22,61.49 U1#14.2
  Bottom w0.3: PAD3#41.1 51.7,60 v1(53.2,61.5)
Board_16-Net-(U1-Pad3): length 2.8
  Top w0.3: U1#14.4 55.16,61.55 55,61.7 54.35,61.7 54.19,61.54 U1#14.3
Board_17-3V3: length 20
  Top w0.3: U1#59.8 60.25,58.36 60.8,57.8 C1#46.2 ; U1#59.5 63.16,58.26 62.4,57.5 C2#56.2
  Top w0.5: v1(61.7,57.3) C2#56.2 60.83,57.3 C1#46.2 ; R1#58.2 60.2,62.63 v1(60.2,63.4) 60.08,63.53 C3#25.2
  Bottom w0.5: v1(61.7,57.3) 62,57.3 62.5,57.8 62.5,62.1 61.2,63.4 v1(60.2,63.4) 58.8,62 PAD4.1
Board_17-GND:
  vias: v1(57,65.1) v1(57.8,65.1) v1(58.8,65.1) v1(59.1,63.5) v1(59.8,55) v1(61.5,65) v1(61.6,54.9) v1(61.7,58.1) v1(61.9,64.3) v1(62.9,54.9) v1(63.1,62.8)
Board_17-I2C_SCL: length 5.2
  Top w0.3: U1#59.7 61.22,58.72 v1(61.2,58.7)
  Bottom w0.3: v1(61.2,58.7) 61.2,58.5 58.7,56 PAD2#32.1
Board_17-I2C_SDA: length 5.2
  Top w0.3: U1#59.1 59.5,60.7 59.3,60.5 v1(59.3,57.9)
  Bottom w0.3: PAD1#26.1 57.9,57.9 v1(59.3,57.9)
Board_17-INT_APDS: length 6.2
  Top w0.3: R1#58.1 61.78,62.08 v1(61.2,61.5) 61.22,61.49 U1#59.2
  Bottom w0.3: v1(61.2,61.5) 59.7,60 PAD3#53.1
Board_17-Net-(U1-Pad3): length 2.8
  Top w0.3: U1#59.4 63.16,61.55 63,61.7 62.35,61.7 62.19,61.54 U1#59.3
Board_18-3V3: length 20
  Top w0.3: U1#32.5 71.16,58.26 70.4,57.5 C2#30.2 ; C1#32.2 68.8,57.8 68.25,58.36 U1#32.8
  Top w0.5: v1(69.7,57.3) C2#30.2 68.83,57.3 C1#32.2 ; R1#7.2 68.2,62.63 v1(68.2,63.4) 68.08,63.53 C3#57.2